# Altium PCB 1EPT0N.pcbdoc (continued)
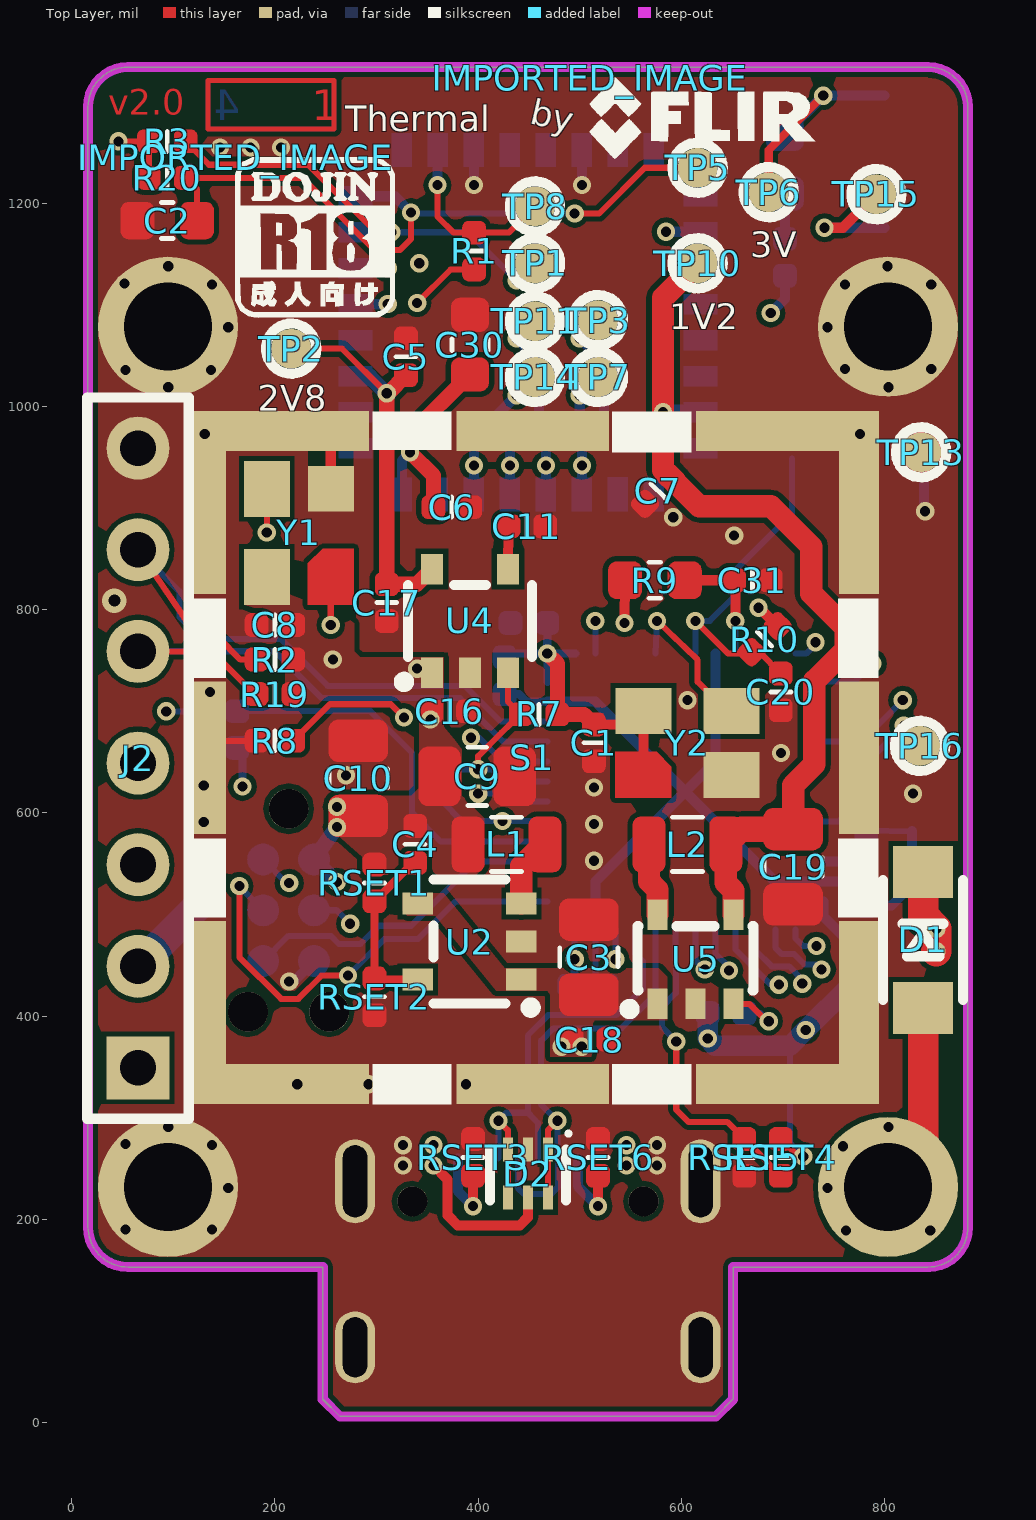
[diagram p0: Top Layer view]
## Footprints (in the part's own frame and the unit in brackets; to place one, negate y for a bottom-side part, rotate by r counter-clockwise, add the part's x,y. Pads: shape width x height; smd on the part's side, far side on the other; paste and mask are expansions set on the pad) (continued)
IMPORTED_IMAGE [mil]
  silkscreen extent 0,-80 222,0
OSC-YSX-3225_4P#1 [mm]
  rect 1.143x1.15 smd: 2(1.1,-0.8)
  rect 1.4x1.15 smd: 3(1.1,0.8) 4(-1.1,0.8)
  Top Layer region: -1.8,-0.225 -0.762,-0.225 -0.4,-0.604 -0.4,-1.375 -1.8,-1.375
OSC-YSX-3225_4P#2 [mm]
  rect 1.4x1.15 smd: 2(1.1,-0.8) 3(1.1,0.8) 4(-1.1,0.8)
  Top Layer region: -1.8,-0.225 -0.762,-0.225 -0.4,-0.604 -0.4,-1.375 -1.8,-1.375
R_0402 [mil]
  Top Layer region: 6.69,5.48 6.77,6.41 6.98,7.32 7.34,8.18 7.83,8.97 8.43,9.68 9.14,10.28 9.94,10.77 10.8,11.13 11.7,11.34 12.63,11.42 23.59,11.42 24.52,11.34 25.43,11.13 26.29,10.77 27.08,10.28 27.79,9.68 28.39,8.97 28.88,8.18 29.24,7.32 29.45,6.41 29.53,5.48 29.53,-5.48 29.45,-6.41 29.24,-7.32 28.88,-8.18 28.39,-8.97 27.79,-9.68 27.08,-10.28 26.29,-10.77 25.43,-11.13 24.52,-11.34 23.59,-11.42 12.63,-11.42 11.7,-11.34 10.8,-11.13 9.94,-10.77 9.14,-10.28 8.43,-9.68 7.83,-8.97 7.34,-8.18 6.98,-7.32 6.77,-6.41 6.69,-5.48
  Top Layer region: -29.53,5.48 -29.45,6.41 -29.24,7.32 -28.88,8.18 -28.39,8.97 -27.79,9.68 -27.08,10.28 -26.29,10.77 -25.43,11.13 -24.52,11.34 -23.59,11.42 -12.63,11.42 -11.7,11.34 -10.8,11.13 -9.94,10.77 -9.14,10.28 -8.43,9.68 -7.83,8.97 -7.34,8.18 -6.98,7.32 -6.77,6.41 -6.69,5.48 -6.69,-5.48 -6.77,-6.41 -6.98,-7.32 -7.34,-8.18 -7.83,-8.97 -8.43,-9.68 -9.14,-10.28 -9.94,-10.77 -10.8,-11.13 -11.7,-11.34 -12.63,-11.42 -23.59,-11.42 -24.52,-11.34 -25.43,-11.13 -26.29,-10.77 -27.08,-10.28 -27.79,-9.68 -28.39,-8.97 -28.88,-8.18 -29.24,-7.32 -29.45,-6.41 -29.53,-5.48
  silkscreen extent 0,-10 0,10
R_0603 [mil]
  Top Layer region: -45.87,10.04 -45.81,11.04 -45.62,12.02 -45.33,12.97 -44.92,13.88 -44.4,14.74 -43.79,15.52 -43.08,16.23 -42.3,16.84 -41.44,17.36 -40.53,17.77 -39.58,18.07 -38.59,18.25 -37.6,18.31 -21.06,18.31 -20.07,18.25 -19.08,18.07 -18.13,17.77 -17.22,17.36 -16.37,16.84 -15.58,16.23 -14.87,15.52 -14.26,14.74 -13.74,13.88 -13.33,12.97 -13.03,12.02 -12.86,11.04 -12.8,10.04 -12.8,-10.04 -12.86,-11.04 -13.03,-12.02 -13.33,-12.97 -13.74,-13.88 -14.26,-14.74 -14.88,-15.52 -15.58,-16.23 -16.37,-16.84 -17.22,-17.36 -18.13,-17.77 -19.08,-18.07 -20.07,-18.25 -21.06,-18.31 -37.6,-18.31 -38.59,-18.25 -39.58,-18.07 -40.53,-17.77 -41.44,-17.36 -42.3,-16.84 -43.08,-16.23 -43.79,-15.52 -44.4,-14.74 -44.92,-13.88 -45.33,-12.97 -45.62,-12.02 -45.81,-11.04 -45.87,-10.04
  Top Layer region: 12.8,10.04 12.86,11.04 13.03,12.02 13.33,12.97 13.74,13.88 14.26,14.74 14.88,15.52 15.58,16.23 16.37,16.84 17.22,17.36 18.13,17.77 19.08,18.07 20.07,18.25 21.06,18.31 37.6,18.31 38.59,18.25 39.58,18.07 40.53,17.77 41.44,17.36 42.3,16.84 43.08,16.23 43.79,15.52 44.4,14.74 44.92,13.88 45.33,12.97 45.62,12.02 45.81,11.04 45.87,10.04 45.87,-10.04 45.81,-11.04 45.62,-12.02 45.33,-12.97 44.92,-13.88 44.4,-14.74 43.79,-15.52 43.08,-16.23 42.3,-16.84 41.44,-17.36 40.53,-17.77 39.58,-18.07 38.59,-18.25 37.6,-18.31 21.06,-18.31 20.07,-18.25 19.08,-18.07 18.13,-17.77 17.22,-17.36 16.37,-16.84 15.58,-16.23 14.87,-15.52 14.26,-14.74 13.74,-13.88 13.33,-12.97 13.03,-12.02 12.86,-11.04 12.8,-10.04
  silkscreen extent -6,-18 6,18
R_0805 [mil]
  Top Layer region: 21.85,19.35 21.91,20.29 22.08,21.22 22.36,22.12 22.74,22.98 23.23,23.79 23.82,24.53 24.48,25.2 25.22,25.78 26.03,26.27 26.89,26.66 27.79,26.94 28.72,27.11 29.66,27.16 45.93,27.16 46.87,27.11 47.8,26.94 48.7,26.66 49.56,26.27 50.37,25.78 51.11,25.2 51.78,24.53 52.36,23.79 52.85,22.98 53.23,22.12 53.51,21.22 53.68,20.29 53.74,19.35 53.74,-19.35 53.68,-20.29 53.51,-21.22 53.23,-22.12 52.85,-22.98 52.36,-23.79 51.78,-24.53 51.11,-25.2 50.37,-25.78 49.56,-26.27 48.7,-26.66 47.8,-26.94 46.87,-27.11 45.93,-27.16 29.66,-27.16 28.72,-27.11 27.79,-26.94 26.89,-26.66 26.03,-26.27 25.22,-25.78 24.48,-25.2 23.82,-24.53 23.23,-23.79 22.74,-22.98 22.36,-22.12 22.08,-21.22 21.91,-20.29 21.85,-19.35
  Top Layer region: -53.74,19.35 -53.68,20.29 -53.51,21.22 -53.23,22.12 -52.85,22.98 -52.36,23.79 -51.78,24.53 -51.11,25.2 -50.37,25.78 -49.56,26.27 -48.7,26.66 -47.8,26.94 -46.87,27.11 -45.93,27.16 -29.66,27.16 -28.72,27.11 -27.79,26.94 -26.89,26.66 -26.03,26.27 -25.22,25.78 -24.48,25.2 -23.82,24.53 -23.23,23.79 -22.74,22.98 -22.36,22.12 -22.08,21.22 -21.91,20.29 -21.85,19.35 -21.85,-19.35 -21.91,-20.29 -22.08,-21.22 -22.36,-22.12 -22.74,-22.98 -23.23,-23.79 -23.82,-24.53 -24.48,-25.2 -25.22,-25.78 -26.03,-26.27 -26.89,-26.66 -27.79,-26.94 -28.72,-27.11 -29.66,-27.16 -45.93,-27.16 -46.87,-27.11 -47.8,-26.94 -48.7,-26.66 -49.56,-26.27 -50.37,-25.78 -51.11,-25.2 -51.78,-24.53 -52.36,-23.79 -52.85,-22.98 -53.23,-22.12 -53.51,-21.22 -53.68,-20.29 -53.74,-19.35
  silkscreen extent -15,-27 15,27
SMS201F [mm]
  rect 1x3.12 smd: 1(-13.1,12.95) 1(-0.5,12.95)
  rect 1x3.18 smd: 1(-13.1,1.59) 1(-0.5,1.59)
  rect 1x3.79 smd: 1(-13.1,7.285) 1(-0.5,7.285)
  rect 2.64x1 smd: 1(-12.28,14.01) 1(-12.28,0.5)
  rect 3.81x1 smd: 1(-6.845,14.01) 1(-6.845,0.5)
  rect 2.75x1 smd: 1(-1.375,0.5) 1(-1.375,14.01)
SMS202 [mm]
  rect 1x3.81 smd: 1(0.5,-8.665) 1(16.82,-8.665)
  rect 1x4.57 smd: 1(0.5,-15.035) 1(0.5,-2.285) 1(16.82,-15.035) 1(16.82,-2.285)
  rect 4.57x1 smd: 1(2.285,-16.82) 1(2.285,-0.5) 1(15.035,-0.5) 1(15.035,-16.82)
  rect 3.81x1 smd: 1(8.665,-16.82) 1(8.665,-0.5)
SOD-123 [mm]
  rect 1.3x1.5 smd: 1(-1.7,0) 2(1.7,0)
  silkscreen extent -1.5,-1 1.5,1
SOT-23-5_L3.0-W1.7-P0.95-LS2.8-BL [mm]
  rect 0.55x0.762 smd: 1(-0.95,-1.294) 2(0,-1.294) 3(0.95,-1.294) 4(0.95,1.297) 5(-0.95,1.297)
  silkscreen extent -1.78,-1.65 1.55,0.9
SOT-666-6_L1.6-W1.2-P0.50-LS1.6-BL [mm]
  rect 0.25x0.6 smd: 1(-0.5,-0.6) 2(0,-0.6) 3(0.5,-0.6) 4(0.5,0.6) 5(0,0.6) 6(-0.5,0.6)
  silkscreen extent -1.01,-1 0.95,0.67
SW-SMD_L3.0-W2.0-LS3.5#1 [mil]
  rect 31.5x60 smd: 1(64.98,0) 2(-64.98,0)
  silkscreen extent -59,-39 59,39
SW-SMD_L3.0-W2.0-LS3.5#2 [mil]
  rect 23.62x60 smd: 1(64.98,0) 2(-64.98,0)
  silkscreen extent -59,-39 59,39
TC2030-CTX [mil]
  round 39 hole 39 unplated: ""(-100,-40) ""(-100,40) ""(100,0)
  Top Layer region: 65.5,25 65.39,23.13 65.05,21.29 64.49,19.5 63.72,17.8 62.76,16.19 61.6,14.72 60.28,13.4 58.8,12.24 57.2,11.28 55.5,10.51 53.71,9.95 51.87,9.61 50,9.5 50,9.5 48.13,9.61 46.29,9.95 44.5,10.51 42.8,11.28 41.19,12.24 39.72,13.4 38.4,14.72 37.24,16.19 36.28,17.8 35.51,19.5 34.95,21.29 34.61,23.13 34.5,25 34.5,25 34.61,26.87 34.95,28.71 35.51,30.5 36.28,32.2 37.24,33.8 38.4,35.28 39.72,36.6 41.19,37.76 42.8,38.72 44.5,39.49 46.29,40.05 48.13,40.39 50,40.5 50,40.5 51.87,40.39 53.71,40.05 55.5,39.49 57.2,38.72 58.8,37.76 60.28,36.6 61.6,35.28 62.76,33.8 63.72,32.2 64.49,30.5 65.05,28.71 65.39,26.87
  Top Layer region: 65.5,-25 65.39,-26.87 65.05,-28.71 64.49,-30.5 63.72,-32.2 62.76,-33.8 61.6,-35.28 60.28,-36.6 58.8,-37.76 57.2,-38.72 55.5,-39.49 53.71,-40.05 51.87,-40.39 50,-40.5 50,-40.5 48.13,-40.39 46.29,-40.05 44.5,-39.49 42.8,-38.72 41.19,-37.76 39.72,-36.6 38.4,-35.28 37.24,-33.8 36.28,-32.2 35.51,-30.5 34.95,-28.71 34.61,-26.87 34.5,-25 34.5,-25 34.61,-23.13 34.95,-21.29 35.51,-19.5 36.28,-17.8 37.24,-16.19 38.4,-14.72 39.72,-13.4 41.19,-12.24 42.8,-11.28 44.5,-10.51 46.29,-9.95 48.13,-9.61 50,-9.5 50,-9.5 51.87,-9.61 53.71,-9.95 55.5,-10.51 57.2,-11.28 58.8,-12.24 60.28,-13.4 61.6,-14.72 62.76,-16.19 63.72,-17.8 64.49,-19.5 65.05,-21.29 65.39,-23.13
  Top Layer region: 15.5,25 15.39,23.13 15.05,21.29 14.49,19.5 13.72,17.8 12.76,16.19 11.6,14.72 10.28,13.4 8.8,12.24 7.2,11.28 5.5,10.51 3.71,9.95 1.87,9.61 0,9.5 0,9.5 -1.87,9.61 -3.71,9.95 -5.5,10.51 -7.2,11.28 -8.8,12.24 -10.28,13.4 -11.6,14.72 -12.76,16.19 -13.72,17.8 -14.49,19.5 -15.05,21.29 -15.39,23.13 -15.5,25 -15.5,25 -15.39,26.87 -15.05,28.71 -14.49,30.5 -13.72,32.2 -12.76,33.8 -11.6,35.28 -10.28,36.6 -8.8,37.76 -7.2,38.72 -5.5,39.49 -3.71,40.05 -1.87,40.39 0,40.5 0,40.5 1.87,40.39 3.71,40.05 5.5,39.49 7.2,38.72 8.8,37.76 10.28,36.6 11.6,35.28 12.76,33.8 13.72,32.2 14.49,30.5 15.05,28.71 15.39,26.87
  Top Layer region: 15.5,-25 15.39,-26.87 15.05,-28.71 14.49,-30.5 13.72,-32.2 12.76,-33.8 11.6,-35.28 10.28,-36.6 8.8,-37.76 7.2,-38.72 5.5,-39.49 3.71,-40.05 1.87,-40.39 0,-40.5 0,-40.5 -1.87,-40.39 -3.71,-40.05 -5.5,-39.49 -7.2,-38.72 -8.8,-37.76 -10.28,-36.6 -11.6,-35.28 -12.76,-33.8 -13.72,-32.2 -14.49,-30.5 -15.05,-28.71 -15.39,-26.87 -15.5,-25 -15.5,-25 -15.39,-23.13 -15.05,-21.29 -14.49,-19.5 -13.72,-17.8 -12.76,-16.19 -11.6,-14.72 -10.28,-13.4 -8.8,-12.24 -7.2,-11.28 -5.5,-10.51 -3.71,-9.95 -1.87,-9.61 0,-9.5 0,-9.5 1.87,-9.61 3.71,-9.95 5.5,-10.51 7.2,-11.28 8.8,-12.24 10.28,-13.4 11.6,-14.72 12.76,-16.19 13.72,-17.8 14.49,-19.5 15.05,-21.29 15.39,-23.13
  Top Layer region: -34.5,25 -34.61,23.13 -34.95,21.29 -35.51,19.5 -36.28,17.8 -37.24,16.19 -38.4,14.72 -39.72,13.4 -41.19,12.24 -42.8,11.28 -44.5,10.51 -46.29,9.95 -48.13,9.61 -50,9.5 -50,9.5 -51.87,9.61 -53.71,9.95 -55.5,10.51 -57.2,11.28 -58.8,12.24 -60.28,13.4 -61.6,14.72 -62.76,16.19 -63.72,17.8 -64.49,19.5 -65.05,21.29 -65.39,23.13 -65.5,25 -65.5,25 -65.39,26.87 -65.05,28.71 -64.49,30.5 -63.72,32.2 -62.76,33.8 -61.6,35.28 -60.28,36.6 -58.8,37.76 -57.2,38.72 -55.5,39.49 -53.71,40.05 -51.87,40.39 -50,40.5 -50,40.5 -48.13,40.39 -46.29,40.05 -44.5,39.49 -42.8,38.72 -41.19,37.76 -39.72,36.6 -38.4,35.28 -37.24,33.8 -36.28,32.2 -35.51,30.5 -34.95,28.71 -34.61,26.87
  Top Layer region: -34.5,-25 -34.61,-26.87 -34.95,-28.71 -35.51,-30.5 -36.28,-32.2 -37.24,-33.8 -38.4,-35.28 -39.72,-36.6 -41.19,-37.76 -42.8,-38.72 -44.5,-39.49 -46.29,-40.05 -48.13,-40.39 -50,-40.5 -50,-40.5 -51.87,-40.39 -53.71,-40.05 -55.5,-39.49 -57.2,-38.72 -58.8,-37.76 -60.28,-36.6 -61.6,-35.28 -62.76,-33.8 -63.72,-32.2 -64.49,-30.5 -65.05,-28.71 -65.39,-26.87 -65.5,-25 -65.5,-25 -65.39,-23.13 -65.05,-21.29 -64.49,-19.5 -63.72,-17.8 -62.76,-16.19 -61.6,-14.72 -60.28,-13.4 -58.8,-12.24 -57.2,-11.28 -55.5,-10.51 -53.71,-9.95 -51.87,-9.61 -50,-9.5 -50,-9.5 -48.13,-9.61 -46.29,-9.95 -44.5,-10.51 -42.8,-11.28 -41.19,-12.24 -39.72,-13.4 -38.4,-14.72 -37.24,-16.19 -36.28,-17.8 -35.51,-19.5 -34.95,-21.29 -34.61,-23.13
  silkscreen extent -120,-60 120,60
TP#1 [mm]
  round 1 smd: 1(0,0)
TP#2 [mm]
  round 0.8 smd far side: 1(0,0)
TSOT-25_L2.9-W1.6-P0.95-BL [mil]
  rect 19.68x30 smd: 1(-37.4,-45) 2(0,-45) 3(37.4,-45) 4(37.4,43) 5(-37.4,43)
  silkscreen extent -70,-55 57,31
UFQFPN-48_L7.0-W7.0-P0.50-BL-EP [mm]
  oval 0.28x0.758 smd: 1(2.751,3.449) 2(2.25,3.449) 3(1.75,3.449) 4(1.25,3.449) 5(0.749,3.449) 6(0.249,3.449) 7(-0.249,3.449) 8(-0.749,3.449) 9(-1.25,3.449) 10(-1.75,3.449) 11(-2.25,3.449) 12(-2.751,3.449) 25(-2.751,-3.449) 26(-2.25,-3.449) 27(-1.75,-3.449) 28(-1.25,-3.449) 29(-0.749,-3.449) 30(-0.249,-3.449) 31(0.249,-3.449) 32(0.749,-3.449) 33(1.25,-3.449) 34(1.75,-3.449) 35(2.25,-3.449) 36(2.751,-3.449)
  oval 0.758x0.28 smd: 13(-3.449,2.751) 14(-3.449,2.25) 15(-3.449,1.75) 16(-3.449,1.25) 17(-3.449,0.749) 18(-3.449,0.249) 19(-3.449,-0.249) 20(-3.449,-0.749) 21(-3.449,-1.25) 22(-3.449,-1.75) 23(-3.449,-2.25) 24(-3.449,-2.751) 37(3.449,-2.751) 38(3.449,-2.25) 39(3.449,-1.75) 40(3.449,-1.25) 41(3.449,-0.749) 42(3.449,-0.249) 43(3.449,0.249) 44(3.449,0.749) 45(3.449,1.25) 46(3.449,1.75) 47(3.449,2.25) 48(3.449,2.751)
  rect 5.5x5.5 smd: 49(0,0)
  silkscreen extent -3.7,-3.7 3.7,4.5
USB3.0-TYPE-C-SMD_16PIN-H-PITCH0.50 [mm]
  oval 1x2.099 hole 0.61 slot 1.8 at 90 deg: 1(4.32,-1.787) 2(-4.32,-1.787)
  oval 1x1.799 hole 0.61 slot 1.5 at 90 deg: 3(4.32,2.363) 4(-4.32,2.363)
  rect 0.6x1.15 smd: A1B12(3.2,-2.363) A4B9(2.4,-2.363) B1A12(-3.2,-2.363) B4A9(-2.4,-2.363)
  rect 0.3x1.15 smd: A5(1.25,-2.363) A6(0.25,-2.363) A7(-0.25,-2.363) A8(1.75,-2.363) B5(-1.75,-2.363) B6(-0.75,-2.363) B7(0.75,-2.363) B8(-1.25,-2.363)
  round 0.75 hole 0.75 unplated: ""(-2.89,-1.288) ""(2.89,-1.288)
  silkscreen extent -4.32,-3.17 4.32,5.08

## Free pads (board coordinates)
  round 137.79 hole 86.61: 1(94.74,231.74) 1(94.74,1078.59) 1(803.4,231.74) 1(803.4,1078.59)

## Via types
v1: diameter 18, hole 10, Top Layer to Bottom Layer, 135 vias
v2: diameter 24, hole 12, Top Layer to Bottom Layer, 1 vias

## Nets (pads, with @x,y where several pads share a name; then routed paths per layer and width w, separated by ;. In a path a pad name is that pad's centre, name@x,y a point inside that pad or via, vN(x,y) a via of type N, cw(c..) or ccw(c..) an arc to the next point about the centre after c; other vN are vias at no path point)
BOOT0: SW2.2 TP15.1 U3.44 | length 1912.5
  Top Layer w6: 218.1,671 254.1,707 314,707 v1(327,694)
  Top Layer w10: v1(741,1176) 759,1176 TP15.1
  Mid-Layer 1 w6: v1(327,694) 343,710 360,710 393,677 v1(393,674) ; v1@393,674.1 401.9,674.1 418,658 517.1,658 605,570.1 605,438 616,427 673.1,427 687,413.1 739,413.1 758,432.1 758,626.1 615.1,769 603,769 595,777 595,845.1 632,882.1 632,1149 659,1176 v1(741,1176)
  Bottom Layer w6: v1(393,674) 401,674 424.49,650.51 U3.44
  Bottom Layer w10: v1(741,1176) SW2.2@770.96,1176 ; SW2.2@770.98,1176.02 SW2.2
BOOT1: TP16.1 U3.20 | length 162.5
  Top Layer w6: v1(819,686) 835,670 TP16.1
  Bottom Layer w6: U3.20 754.5,591.5 782,619.1 782,649 v1(819,686)
BUCK_ON: TP12.1 U3.41 U5.3 | length 608.8
  Top Layer w6: U5.3 667,412 684,395 v1(686,395)
  Mid-Layer 1 w6: v1(424,592) 439,607 542,607 593,556 593,432 610,415 666,415 v1(686,395)
  Bottom Layer w6: TP12.1 384,592 v1(424,592) 467.7,592 U3.41 ; 662.1,403 678,403 v1(686,395)
CLK_STBY: U3.40 | length 720.4
  Top Layer w6: v1(254.99,785) 254.99,832.38
  Mid-Layer 1 w6: v1(93,700) 93,716 162,785 v1(254.99,785)
  Bottom Layer w6: v1(93,700) 166.16,700 166.38,700.22 ; 163,700.2 293.8,700.2 335,659 335,600 363.2,571.8 U3.40
D1_2: D1.2 pad.1@803.4,231.74 | length 211
  Top Layer w30: pad.1@803.4,231.7 838,231.7 D1.2
  other v1: 762,189 845,189 744,231 759,272 804,291
ESP_CH_PD: U3.15
ESP_GPIO0: U3.11
ESP_GPIO2: U3.10
ESP_RST: U3.17
GND: D2.2 J2.7 J3.1 J3.2 J3.3 J3.4 J3.A1B12 J3.B1A12 pad.1@94.74,231.74 pad.1@94.74,1078.59 pad.1@803.4,1078.59 S1.1 S2.1 SW1.1 TP13.1 U1.SHIELD U2.2 U3.8 U3.23 U3.35 U3.47 U3.49 U4.2 U5.2 Y1.2 Y2.2 | length 1370.5
  Top Layer w6: S1.1@132.1,654.4 132.1,666.1 137,671 181.9,671
  Top Layer w10: S1.1@202.4,975.8 255,975.8 Y1.2
  Bottom Layer w6: U3.35 515.4,440.7 526.11,430 ; 782,394.89 782,368.11 782,332.13 S2.1@784.11,332.13 ; 782,582.9 S2.1@827,581.9
  Bottom Layer w8: 426,716.9 440.1,716.9 447.4,709.6 U3.47
  Bottom Layer w10: v1(214,434) 218.26,434 238.44,454.18 ; v1(395.92,1218) 395.92,1252.6 ; U3.47 515.4,709.61 U3.49 ; v1(502.22,1218) 502.22,1252.6 ; U3.35@515.4,482.34 515.4,532.41 U3.49 ; U3.8 633.5,650.51 U3.49 ; 782,508.89 780.11,508.89 ; S2.1@827,581.9 827,529 806.9,508.9 780.1,508.9 ; SW1.1 838.98,898.02 v1(840,897) ; U3.49 692.6,532.41 U3.23 756.59,532.41 780.11,508.89
  other v1: 53,190 138,190 154,231 326,253 576,253 138,273 326,273 576,273 53,274 95,291 222,333 292,333 388,333 514,553 514,589 130,591 828,619 514,625 130,627 270,637 698,659 606,711 136,719 652,873 592,891 131,973 776,973 95,1019 804,1019 53,1036 137,1036 761,1037 846,1037 154,1078 744,1078 138,1120 761,1120 846,1120 52,1121 95,1138 803,1138 342,1141 146,1255 176,1255 206,1255
  other v2: 42,809
J3_A5: J3.A5 | length 85.1
  Top Layer w10: v1(517.9,213) 518,213.1 518,242.89
  Bottom Layer w10: J3.A5 498.21,232.69 v1(517.9,213)
J3_A8: J3.A8
J3_B5: J3.B5 | length 83.1
  Top Layer w10: v1(395,213) 395,242.89
  Bottom Layer w10: J3.B5 380.1,227.9 v1(395,213)
J3_B8: J3.B8
LDO_ON: TP9.1 U3.43 U4.3 | length 236
  Top Layer w6: v1(400,643) 400,656 423,679 441.9,697 429.4,709.49 U4.3
  Bottom Layer w6: TP9.1 382,643 v1(400,643) 414,643 426.2,630.8 U3.43
LEPTON_GPIO3: U3.2 | length 505.3
  Mid-Layer 1 w6: v1(515.4,789) 618,891.6 618,1043 585,1076 v1(585,1172)
  Bottom Layer w6: U3.2 v1(515.4,789)
  Bottom Layer w10: v1(585,1172) 618.25,1172 618.75,1171.5
LEPTON_PW_DWN_L: TP1.1 U3.29 | length 1362.3
  Top Layer w6: 112.11,1261 135.11,1238 233,1238 299.5,1171.5 v1(314.48,1171.5)
  Top Layer w10: v1(438,1124) 439,1124 TP1.1
  Mid-Layer 1 w6: v1@438,1124.1 438,1103.1 415,1080.1 415,989.7 376,950.7 376,737 429,684 526,684 647,563 v1@647,445.1
  Bottom Layer w6: v1(314.48,1171.5) 390.5,1171.5 v1(438,1124) ; U3.29 633.5,461.5 647,448 v1(647,445)
  Bottom Layer w10: 279.39,1171.5 v1(314.48,1171.5)
LEPTON_RESET_L: TP5.1 U3.30 | length 1710
  Top Layer w6: 123.33,1183 123.33,1213.78 112.11,1225 227,1225 298,1154 323,1154 334,1165 v1(334,1191) ; v1(495,1190) 519,1190 564,1235 TP5.1
  Mid-Layer 1 w6: v1(495,1190) 463,1158.1 442,1158.1 418,1134 418,1102 401.4,1085.1 401.4,997.1 362,957.7 362,733 423.6,671.4 520.6,671.4 623,569.1 v1@623,446.1
  Bottom Layer w6: v1(334,1191) 335,1190 v1(495,1190) ; U3.30 613.8,455.2 v1(623,446)
  Bottom Layer w10: 279.39,1206.94 318.06,1206.94 v1(334,1191)
MASTER_CLK: TP8.1 | length 178.9
  Top Layer w6: v1(360,1218) 360,1187 375.9,1171.1 396,1171.1 430.11,1171.11 TP8.1
  Bottom Layer w10: v1(360,1218) 360.5,1252.6
OTG_FS_D_N: D2.1 D2.6 J3.A7 J3.B7 U3.32 | length 499.5
  Top Layer w6: D2.6 D2.1 468.69,287.69 v1(478,297)
  Bottom Layer w6: J3.A7 439.2,230.8 445,225 472,225 478.5,231.5 J3.B7 ; J3.B7 478,260.54 v1(478,297) 462,313 462,376 474,388 541,388 574.5,421.5 U3.32
OTG_FS_D_P: D2.3 D2.4 J3.A6 J3.B6 U3.33 | length 467.2
  Top Layer w6: v1(420,297) 429.32,287.68 D2.3 D2.4
  Bottom Layer w6: J3.B6 420,260.5 v1(420,297) 427.9,304.9 449.1,304.9 ; J3.A6 458.8,294.8 449.1,304.9 ; U3.33 554.8,461.2 562,454 562,427 554.8,419.8 536,401 469,401 449.1,381.1 449.1,304.9
PA2_USATR2_TX: J2.3 U3.12 | length 1275.4
  Mid-Layer 1 w6: J2.3 154.3,460 283,460 353,390 509,390 570,329 729,329 798,398 798,641 732,707 v1(732,768)
  Bottom Layer w6: U3.12 722.8,756.8 732,766 v1(732,768)
PA3_USATR2_RX: J2.4 U3.13 | length 1474.6
  Mid-Layer 1 w6: J2.4 107,607.27 107,526 160,473 289,473 359,403 514,403 575,342 724,342 785,403 785,635 714,706 714,776 727,789 732,789 746,789 v1(788,747)
  Bottom Layer w6: U3.13 770.3,729.3 v1(788,747)
PB_STAT: U3.14
R21_1:  | length 44.7
  Bottom Layer w10: 702,1165 702,1209.67
S$45: 
S$8913: 
SCL: J2.5 U3.45 | length 1092.2
  Top Layer w6: J2.5 137.94,759.06 180,717 181.89,717
  Mid-Layer 1 w6: J2.5 114,807.9 114,890 214,990 214,1077 238,1101 v1(311,1101)
  Bottom Layer w6: J2.5 199.9,759.1 246,713 382,713 424.8,670.2 U3.45
  Bottom Layer w10: 279.39,1100.64 310.64,1100.64 v1(311,1101)
SDA: J2.6 U3.46 | length 1103.5
  Top Layer w6: J2.6 124,773 144,773 166,751 181.9,751
  Mid-Layer 1 w6: J2.6 200,993.9 200,1083 232,1115 290,1115 v1(311,1136)
  Bottom Layer w6: J2.6 106,818.3 106,793 128,771 206,771 252,725 387,725 422.1,689.9 U3.46
  Bottom Layer w10: 279.39,1136.07 279.46,1136 v1(311,1136)
SPI_CLK: TP11.1 U3.26 | length 1130.1
  Top Layer w10: v1(438,1067) 455,1084 TP11.1
  Mid-Layer 1 w6: v1(431.35,941.97) 460.4,971 517,971 534,954 534,926 425,817 425,753 453,725 539,725 715,549 715,461 730,446 v1(738,446)
  Bottom Layer w6: U3.26 692.6,467.4 699,461 711,461 721,451 733,451 v1(738,446)
  Bottom Layer w10: 431.35,913.24 v1@431.35,940.79 ; v1(431.35,941.97) 431.4,960.4 460,989 460,1045 v1(438,1067)
SPI_CS: TP14.1 U3.25 | length 1055.6
  Top Layer w10: v1(438,1011) TP14.1
  Mid-Layer 1 w6: v1(395.92,941.97) 436.9,983 523,983 547,959 547,920 438,811 438,759 459,738 543,738 733,548 v1(733,469)
  Bottom Layer w6: U3.25 712.3,476.7 720,469 v1(733,469)
  Bottom Layer w10: 395.92,913.24 v1@395.92,940.01 ; v1(395.92,941.97) 395.9,968.9 v1(438,1011)
SPI_MISO: TP7.1 U3.27 | length 1022.9
  Top Layer w10: v1(500,1011) TP7.1
  Mid-Layer 1 w6: v1(466.79,941.97) 483.8,959 511,959 522,948 522,933.4 412,823.4 412,747 448,711 535,711 702,544 702,455 719,438 v1(719,432)
  Bottom Layer w6: U3.27 672.9,465.1 689,449 706,449 719,436 v1(719,432)
  Bottom Layer w10: 466.79,913.24 v1@466.79,939.22 ; v1(466.79,941.97) 466.8,959.8 500,993 v1(500,1011)
SPI_MOSI: TP3.1 U3.28 | length 1001.5
  Top Layer w10: v1(500,1067) TP3.1
  Mid-Layer 1 w6: v1(502.22,941.97) 398,837.7 398,742 443,697 531,697 689,539 689,438 v1(696,431)
  Bottom Layer w6: U3.28 653.2,465.8 688,431 v1(696,431)
  Bottom Layer w10: v1(500,1067) 524,1043 524,981 502.2,959.2 v1(502.22,941.97) ; 502.22,913.24 v1@502.22,939.61
STM32_NRESET: SW1.2 U3.7 | length 1411.1
  Top Layer w6: v1(613.8,789) 645.8,757 668,757 669.19,758.19 677.03,758.19 698,737.22
  Mid-Layer 1 w6: v1(274,491) 288,491 363,416.1 518.9,416.1 580.9,354.1 718,354.1 772,408.1 772,630.8 v1(613.8,789)
  Bottom Layer w6: 238.4,504.2 260.8,504.2 v1(274,491) ; U3.7 v1(613.8,789) 628,789 653,814 653,839 709,895 SW1.2
SYSTEM_LED: U3.16 | length 572.5
  Mid-Layer 1 w6: v1(688,1092) 688,968 818,838 v1(818,711)
  Bottom Layer w6: U3.16 777.2,670.21 v1(818,711)
  Bottom Layer w10: v1(688,1092) 702,1106 702,1128.8
TCK: U3.37 | length 463.2
  Top Layer w6: v1(165,528) 165,458 206,417 223,417 246,440 v1(272,440)
  Bottom Layer w6: v1(165,528) 188.4,504.2 ; v1(272,440) 308,476 341,476 377.7,512.7 U3.37
TDI: U3.38
TDO: U3.39 | length 326.9
  Bottom Layer w6: 188.4,454.2 213.3,479 255,479 263,471 284,471 302,489 334,489 397.1,552.1 U3.39
TIM2_CH3: U3.21
TIM3_CH3: U3.18
TIM3_CH4: U3.19
TIM4_CH1: U3.42 | length 71.4
  Bottom Layer w6: v1(400,619) 417,619 424.8,611.2 U3.42
TMS: U3.34 | length 438.9
  Mid-Layer 1 w6: v1(214,531) 234,531 261.1,558.1 323.9,558.1 395,487 504,487 v1@535,456
  Bottom Layer w6: 188.44,554.18 211.62,531 v1(214,531) ; v1(535.1,456) U3.34
U2_3: U2.3 | length 69.8
  Top Layer w22: U2.3 442.6,547.8 465.8,571
U2_5: U2.5 | length 174.7
  Top Layer w8: 338,551 336,551 298,513 298,437.11 299.11,436 U2.5
U3_9: U3.9 | length 121.3
  Top Layer w10: 603.33,829 645.89,829 651.89,829 653.2,827.69 v1(653.2,789)
  Bottom Layer w6: U3.9 v1(653.2,789)
U3_22: U3.22 | length 43.3
  Bottom Layer w10: U3.22 761,552 782,545.1
U4_4: U4.4 | length 42
  Top Layer w10: U4.4@429.4,840 429.9,882
U5_5: U5.5 | length 74.5
  Top Layer w22: 568.2,571 568.2,532.8 576.6,524.4 U5.5
USB_CLK: U3.5 Y2.3 | length 154.4
  Top Layer w6: v1(576,789) 616,750.7 616,729 644.5,700.5 Y2.3
  Bottom Layer w6: U3.5 v1(576,789)
USB_ID: U3.31 | length 318.7
  Top Layer w6: v1(595,375) 595,308 607,296 645.1,296 662,279.1 698,242.9
  Bottom Layer w6: U3.31 594.7,422.9 581,409.2 581,389 v1(595,375)
VCC12: TP10.1 U5.4 | length 891.7
  Top Layer w22: TP10.1 582,1107 v1(582,994.42) 582,937.61 589.81,929.8 617.61,902 688,902 728,862 728,816 762,782 762,761 731,730 731,648 710,627 710,584 ; 643.8,571 643.8,531.2 651.4,523.6 U5.4
  Top Layer w25: 643.8,569 658.81,584.01 710,584.01
  Bottom Layer w15: v1(582,994.42) 618.7,994.3
VCC28A: TP2.1 U4.5 | length 414.8
  Top Layer w6: TP2.1 266,1057 v1(310,1013)
  Top Layer w15: 329,1030.89 311.11,1013 v1(310,1013) 310,825.11 339.8,825.2 U4.5@354.6,840
  Bottom Layer w15: 279.39,1029.77 293.23,1029.77 v1(310,1013)
VCC30_IO: J2.2 SW2.1 TP6.1 U3.1 U3.24 U3.36 U3.48 U4.1 Y1.4 Y2.4 | length 1705.7
  Top Layer w6: v1(46,1261) 75.89,1261 75.89,1225 ; 698,279.11 715.11,262 v1(720,262)
  Top Layer w8: TP6.1 686,1252.33 v1@739.65,1305.98
  Top Layer w10: 514,687.11 549.3,687.11 Y2.4 562.69,637.5 ; v1(544,787) 544.7,829 ; v1(676,802) 676.61,802 694.81,783.81
  Top Layer w15: 356,901 356,932 v1(333,955) 333,972.7 392,1031.7 ; v1(468,757) 478.11,746.89 478.11,697 504.11,697 514,687.11
  Bottom Layer w6: v1(495,456) 495,484.5 U3.36 ; 707,371 707,275 v1(720,262)
  Bottom Layer w8: 163,664 168,659 v1(168,626) ; 426,753.1 429.9,757 v1(468,757) ; 468.1,787 v1(468,757) ; U3.48@468.2,729.1 v1@468.2,757.1 ; v1@468.2,751.2 468,751.4 v1(468,757) ; 489.89,430 495,435.11 v1(495,456) ; U3.1 495.51,757 v1(468,757)
  Bottom Layer w10: 325.05,913.24 325.05,947.05 v1(333,955) ; 702,1268.33 739.65,1305.98 SW2.1 ; U3.24 739.8,498.2 782,456 782,431.1
  Bottom Layer w15: v1(261,532) 260.62,532 238.44,554.18 v1(261,586) v1(261,606)
  Bottom Layer w20: 625.89,403 625.89,378.11 v1(626,378) 633,371 707,371 v1(722.42,386.42) 767.11,431.11 782,431.11
  Bottom Layer w30: J2.2 134,517.85 v1(134,534.51) v1(134,555)
  other v1: 353,692 340,742 257,751 739.65,1305.98
VCCUSB50: D1.1 D2.5 J2.1 J3.A4B9 J3.B4A9 U2.1 U2.4 U5.1 | length 244
  Top Layer w10: v1(356,253) 370,239 370,204 380,194 441,194 449,202 D2.5
  Top Layer w30: D1.1 838,499 v1(851,486) v1(851,464)
  other v1: 546,253 356,273 546,273 482,370 502,370
Y1_3: Y1.3 | length 399.9
  Top Layer w6: v1(192,876) 192,913 Y1.3 ; v1(340,1102) 372.89,1134.89 396,1134.89
  Mid-Layer 1 w6: v1(192,876) 261,945 261,1004 340,1083 v1(340,1102)
pads on no net: J3. PCB2. U3.3 U3.4 U3.6
copper on no net: | length 1376
  Top Layer w5: 134,1273 134,1321 258,1321 258,1273 134,1273
  Mid-Layer 1 w5: 134,1273 134,1321 258,1321 258,1273 134,1273
  Mid-Layer 2 w5: 134,1273 134,1321 258,1321 258,1273 134,1273
  Bottom Layer w5: 134,1273 134,1321 258,1321 258,1273 134,1273

## Polygon pours and split planes (outlines as drawn)
GND on Mid-Layer 2 "Mid-Layer 2-GND" (solid, remove dead copper, pour order 12): -4,1353 906,1353 906,-7 -4,-7
VCC30_IO on Mid-Layer 1 "Mid-Layer 1-VCC30_IO" (solid, remove dead copper, pour order 16): -34,1383 936,1383 936,-37 -34,-37
VCCUSB50 on Mid-Layer 1 "Mid-Layer 1-VCCUSB50" (solid, remove dead copper, pour order 14): 26,383 104,383 156,333 446,333 466,353 466,388 516,388 516,358 556,318 732,317 828,413 828,501 866,501 866,153 651,153 651,3 246,3 246,153 176,153 176,253 110,317 26,317
VCCUSB50 on Top Layer "Top Layer-VCCUSB50" (solid, remove dead copper, pour order 2): 326,521 366,521 426,447 466,447 578,447 586,439 586,396 515,396 513,393 513,360 471,360 471,421 468,425 418,425 358,499 326,499
VCC30_IO on Top Layer "Top Layer-VCC30_IO" (solid, remove dead copper, pour order 4): 366,753 366,685 376,673 384,663 384,617 406,595 406,547 398,539 290,539 286,545 286,557 254,585 254,609 262,617 334,617 342,625 342,697 332,707 210,707 210,791 170,805 170,859 214,859 214,815 272,793 278,787 278,759 284,753
GND on Top Layer "Top Layer-GND" (solid, remove dead copper, pour order 6): -14,1363 916,1363 916,-17 -14,-17
GND on Bottom Layer "Bottom Layer-GND 1" (solid, remove dead copper, pour order 8): -24,1373 926,1373 926,-27 -24,-27

## Keep-outs
Keep-Out Layer:
  lines w10: 55.37,153 cw(c55.37,192.37) 16,192.37 16,1294.73 cw(c55.37,1294.73) 55.37,1334.1 842.77,1334.1 cw(c842.77,1294.73) 882.14,1294.73 882.14,192.37 cw(c842.77,192.37) 842.77,153 ; 56,153 247,153 247,23 264,6 634,6 651,23 651,153 844,153

## Other copper
Top Layer:
  pour cut-out: 233,957 233,941 277,941 277,957
  text "v2.0" at 36,1287 h25
  text "1" at 236,1282 h30
Mid-Layer 1:
  text "3" at 196,1312 h30 r180
Mid-Layer 2:
  text "2" at 206,1282 h30
Bottom Layer:
  pour cut-out: 741,757 741,487 466,487 466,757
  text "4" at 166,1282 h30

## Silkscreen, mask and mechanical layers (free items; w line width, h text height)
Top Overlay:
  circle w10: c216,1057 r24.7
  circle w10: c616,1141 r24.7
  circle w10: c686,1211 r24.7
  circle w10: c456,1197 r24.7
  circle w10: c456,1141 r24.7
  circle w10: c456,1084 r24.7
  circle w10: c456,1029 r24.7
  circle w10: c518,1085 r24.7
  circle w10: c518,1029 r24.7
  circle w10: c616,1235 r24.7
  circle w10: c792,1209 r24.7
  circle w10: c836,955 r24.7
  circle w10: c835,666 r24.7
  rectangle: 532,313 610,353
  rectangle: 296,313 374,353
  rectangle: 754,497 794,575
  rectangle: 754,733 794,811
  rectangle: 532,955 610,995
  rectangle: 296,957 374,995
  rectangle: 112,497 152,575
  rectangle: 112,733 152,811
  text "by" at 450,1279 h25 r347
  text "Thermal" at 269,1271 h25
  text "3V" at 668,1147 h25
  text "1V2" at 588,1076 h25
  text "2V8" at 183,996 h25
Bottom Overlay:
  circle w10: c363,662 r24.7
  circle w10: c365,611 r24.7
  rectangle: 808,661 846,739
  rectangle: 808,425 846,503
  rectangle: 638,313 718,351
  rectangle: 402,313 482,351
  rectangle: 276,425 314,503
  rectangle: 276,661 314,741
  rectangle: 638,809 718,847
  rectangle: 402,809 482,847
  rectangle: 299,17 599,197
  lines w10: 686,1185 718,1185
  text "GaAs" at 208,1211 h60 r1
  text "2007" at 212,1159 h60
  text "GND" at 196,939 h30
  text "SDA" at 196,839 h30
  text "SCL" at 196,739 h30
  text "RX" at 246,679 h30
  text "TX" at 246,639 h30
  text "3V" at 206,329 h30
  text "5V" at 206,289 h30
Document:
  lines w0.1: 450,671.5 452,673.5
Drill Drawing:
  text "v2.0" at 46,1287 h40